# Allegro board 8880F5-0823_RXTX.brd (continued)
## Routing (per net, layer and track width the routed paths; a pad name or vN(x,y) marks a point on that pad's centre or on a via; arc(x,y) is an arc through that point) (continued)
D11108: length 833.7
  TOP w0.086: SITE2.117 328.23,257.78 328.31,257.86 328.31,268.63 v1(327.79,269.15)
  L07_SIGNAL w0.071: D111.08 405.75,368.95 405.75,368.85 405.75,365.42 407.17,364 418.02,364 429.56,352.45 429.56,327.96 413.79,312.19 413.79,266.99 414.55,266.23 416.01,266.23 416.87,267.09 416.87,267.69 v1(417.34,268.16)
  L30_SIGNAL w0.071: v1(417.34,268.16) 416.87,268.63 416.87,269.48 417.2,269.81 420.98,269.81 428.19,277.02 428.19,297.81 423.39,302.6 389.57,302.6 385.15,298.19 373.66,298.19 372.27,299.58 372.27,397.9 367.67,402.51 214.16,402.51 210.33,398.68 210.33,367.18 216.19,361.32 269.2,361.32 270.48,362.6 270.48,363.48 269.71,364.24 230.71,364.24 230.19,364.76 230.19,365.64 230.62,366.07 273.95,366.07 279.47,371.59 304.25,371.59 313.53,362.31 313.53,319.28 327.98,304.83 327.98,286.16 329.39,284.75 329.39,280.03 328.26,278.9 328.26,269.62 v1(327.79,269.15)
D11109: length 833.7
  TOP w0.086: SITE2.100 335.03,257.78 334.95,257.86 334.95,262.07 337.55,264.67 337.55,266.76 v1(338,267.21)
  L05_SIGNAL w0.071: D111.09 399.47,375.23 399.47,375.33 399.47,379.03 397.73,380.77 377.95,380.77 373.21,376.03 373.21,325.92 393.3,305.83 393.3,287.15 391.88,285.73 390.59,285.73 389.49,284.63 389.49,284.38 v1(389.02,283.91)
  L32_SIGNAL w0.071: v1(338,267.21) 337.53,266.74 337.53,264.24 336.26,262.97 320.43,262.97 314.95,268.46 314.95,273.47 318.65,277.17 363.57,277.17 367.03,280.62 367.03,290.83 358.18,299.68 358.18,379.37 365.28,386.46 567.36,386.46 571.5,382.32 571.5,318.39 559.88,306.77 443.48,306.77 429.65,292.94 387.04,292.94 386.34,292.25 386.34,283.28 387.45,282.17 388.8,282.17 389.48,282.85 389.48,283.45 v1(389.02,283.91)
D11111: length 833.7
  TOP w0.086: SITE2.101 334.63,257.78 334.71,257.86 334.71,262.17 337.31,264.77 337.31,266.76 v1(336.85,267.21)
  L05_SIGNAL w0.071: D111.11 397.67,374.81 399.03,374.81 399.27,375.05 399.27,378.95 397.65,380.58 378.03,380.58 373.41,375.95 373.41,326 393.5,305.91 393.5,287.07 391.96,285.53 390.68,285.53 389.69,284.55 389.69,284.38 v1(390.16,283.91)
  L32_SIGNAL w0.071: v1(390.16,283.91) 389.67,283.42 389.67,282.76 388.89,281.98 387.37,281.98 386.15,283.2 386.15,292.33 386.95,293.14 429.57,293.14 443.4,306.97 559.79,306.97 571.3,318.47 571.3,382.24 567.28,386.26 365.36,386.26 358.38,379.28 358.38,299.76 367.22,290.92 367.22,280.54 363.66,276.97 318.73,276.97 315.15,273.39 315.15,268.54 320.52,263.17 336.18,263.17 337.33,264.32 337.33,266.74 v1(336.85,267.21)
D11113: length 833.7
  TOP w0.086: SITE2.102 334.23,257.78 334.15,257.86 334.15,262.58 335.64,264.07 335.64,268.51 v1(336.07,268.93)
  L05_SIGNAL w0.071: D111.13 388.7,375.84 388.7,377.96 387.11,379.55 379.28,379.55 374.81,375.09 374.81,326.78 394.2,307.39 394.2,285.43 391.29,282.51 391.29,272.96 389.49,271.16 389.49,270.79 v1(389.02,270.32)
  L32_SIGNAL w0.071: v1(336.07,268.93) 335.6,269.4 335.6,272.83 336.71,273.94 366.81,273.94 372.59,279.73 372.59,283.63 374.35,285.39 377.9,285.39 378.82,286.31 378.82,287.79 377.99,288.63 377.99,290.74 373.32,295.4 373.32,347.18 380.47,354.32 543.52,354.32 545.88,356.68 545.88,364.9 542.25,368.53 506.82,368.53 504.39,370.95 504.39,375.79 506.56,377.95 556.09,377.95 562.99,371.06 562.99,320.8 554.86,312.68 400.21,312.68 385.81,298.28 385.81,293.06 384.3,291.55 384.3,274.98 386.97,272.31 389.03,272.31 389.49,271.84 389.49,270.79 v1(389.02,270.32)
D11115: length 833.7
  TOP w0.086: SITE2.103 333.83,257.78 333.91,257.86 333.91,262.68 335.4,264.17 335.4,268.46 v1(334.93,268.93)
  L05_SIGNAL w0.071: D111.15 388.5,375.8 388.5,377.88 387.03,379.36 379.37,379.36 375.01,375 375.01,326.86 394.4,307.48 394.4,285.35 391.49,282.43 391.49,272.88 389.69,271.08 389.69,270.79 v1(390.16,270.32)
  L32_SIGNAL w0.071: v1(390.16,270.32) 389.69,270.79 389.69,271.93 389.11,272.51 387.05,272.51 384.5,275.06 384.5,291.46 386.01,292.98 386.01,298.2 400.29,312.48 554.94,312.48 563.18,320.72 563.18,371.14 556.17,378.15 506.48,378.15 504.2,375.87 504.2,370.87 506.74,368.33 542.17,368.33 545.68,364.82 545.68,356.77 543.43,354.52 380.39,354.52 373.12,347.26 373.12,295.32 377.79,290.65 377.79,288.54 378.62,287.71 378.62,286.4 377.82,285.59 374.27,285.59 372.4,283.71 372.4,279.81 366.72,274.14 336.63,274.14 335.4,272.91 335.4,269.4 v1(334.93,268.93)
D11201: length 833.7
  TOP w0.086: SITE2.140 317.68,250.43 317.6,250.35 313.87,250.35 311.52,252.7 308.04,252.7 v1(307.6,253.14)
  L05_SIGNAL w0.071: v1(416.45,251.9) 416.92,252.38 416.92,253.26 417.47,253.8 423.68,253.8 431.39,261.51 467.06,261.51 470.17,264.62 566.49,264.62 570.39,268.51 570.39,397.91 563.61,404.69 553.08,404.69 547.24,398.84 547.24,316.17 543.21,312.14 536.26,312.14 531.83,316.58 531.83,391.43 522.51,400.75 503.7,400.75 490.06,387.12 490.06,350.41 484.39,344.74 458.52,344.74 450.58,352.68 450.58,382.96 433.44,400.1 420.44,400.1 418.65,398.31 418.65,395.78 419.31,395.12 420.22,395.12 D112.01
  L32_SIGNAL w0.071: v1(416.45,251.9) 416.92,251.43 416.92,250.12 414.4,247.6 362.89,247.6 357.8,252.69 355.66,252.69 354.39,251.43 325.91,251.43 324.67,252.67 308.07,252.67 v1(307.6,253.14)
D11202: length 833.7
  TOP w0.086: v1(327.07,270.87) 326.61,270.41 326.61,262.62 326.95,262.28 326.95,257.86 327.03,257.78 SITE2.120
  L07_SIGNAL w0.071: v1(416.2,254.57) 416.67,254.1 416.67,253.51 415.6,252.44 414.09,252.44 413.39,253.14 413.39,254.85 414.85,256.3 423.91,256.3 448.7,281.09 448.7,371.27 434.53,385.44 417.27,385.44 415.89,386.81 415.89,389.1 416.5,389.71 417.65,389.71 D112.02
  L30_SIGNAL w0.071: v1(416.2,254.57) 416.67,255.04 416.67,256.08 417.38,256.79 421.5,256.79 430.07,265.36 430.07,299.82 425.86,304.03 387.74,304.03 382.65,298.94 374,298.94 373.4,299.54 373.4,399.55 368.74,404.21 211.75,404.21 208.54,401 208.54,365.79 214.41,359.92 269.99,359.92 281.1,371.02 303.91,371.02 311.34,363.59 311.34,319.16 322.24,308.26 322.24,289.11 326.6,284.75 326.6,271.34 v1(327.07,270.87)
D11203: length 833.7
  TOP w0.086: v1(307.6,252) 308.06,252.46 311.43,252.46 313.78,250.11 317.6,250.11 317.68,250.03 SITE2.141
  L05_SIGNAL w0.071: v1(417.6,251.9) 417.12,252.38 417.12,253.18 417.55,253.6 423.76,253.6 431.47,261.31 467.14,261.31 470.25,264.42 566.57,264.42 570.58,268.43 570.58,397.99 563.69,404.88 553,404.88 547.04,398.92 547.04,316.25 543.13,312.34 536.34,312.34 532.02,316.66 532.02,391.52 522.59,400.95 503.62,400.95 489.87,387.2 489.87,350.49 484.31,344.93 458.61,344.93 450.78,352.76 450.78,383.04 433.52,400.29 420.36,400.29 418.46,398.39 418.46,395.6 D112.03
  L32_SIGNAL w0.071: v1(417.6,251.9) 417.12,251.43 417.12,250.04 414.49,247.4 362.81,247.4 357.71,252.5 355.74,252.5 354.47,251.23 325.83,251.23 324.59,252.47 308.07,252.47 v1(307.6,252)
D11204: length 833.7
  TOP w0.086: v1(325.93,270.87) 326.38,270.42 326.38,262.52 326.71,262.19 326.71,257.86 326.63,257.78 SITE2.121
  L07_SIGNAL w0.071: D112.04 415.69,389.49 415.69,386.73 417.19,385.24 434.44,385.24 448.5,371.19 448.5,281.18 423.82,256.5 414.76,256.5 413.19,254.93 413.19,253.06 414.01,252.24 415.68,252.24 416.87,253.43 416.87,254.1 v1(417.34,254.57)
  L30_SIGNAL w0.071: v1(417.34,254.57) 416.87,255.04 416.87,256 417.46,256.6 421.59,256.6 430.27,265.27 430.27,299.9 425.94,304.22 387.66,304.22 382.57,299.14 374.08,299.14 373.6,299.62 373.6,399.63 368.82,404.41 211.67,404.41 208.34,401.08 208.34,365.71 214.33,359.72 270.07,359.72 281.18,370.82 303.83,370.82 311.14,363.51 311.14,319.08 322.04,308.18 322.04,289.03 326.4,284.66 326.4,271.34 v1(325.93,270.87)
D11205: length 833.7
  TOP w0.086: SITE2.142 317.68,249.63 317.6,249.55 313.04,249.55 311.83,250.76 304.76,250.76 v1(304.31,251.21)
  L05_SIGNAL w0.071: v1(416.45,238.32) 416.92,238.79 416.92,239.69 433.53,256.3 528.25,256.3 529.69,254.86 567.37,254.86 573.47,260.96 573.47,418.43 565.57,426.34 420.65,426.34 418.44,424.13 418.44,420.03 420.58,417.89 502.69,417.89 505.23,415.36 505.23,410.05 502.75,407.57 417.61,407.57 408.64,398.6 408.64,395.43 409.19,394.88 410.3,394.88 D112.05
  L32_SIGNAL w0.071: v1(416.45,238.32) 416.92,237.84 416.92,236.22 414.88,234.17 369.68,234.17 365.44,238.42 344.11,238.42 343.63,237.94 339.58,237.94 338.54,238.98 316.99,238.98 315.38,240.6 309.17,240.6 306.67,243.09 306.67,249.45 305.38,250.74 304.78,250.74 v1(304.31,251.21)
D11206: length 833.7
  TOP w0.086: SITE2.81 343.98,250.43 344.06,250.51 347.46,250.51 349.46,252.51 358.8,252.51 v1(359.29,252.02)
  L07_SIGNAL w0.071: v1(416.45,270.57) 416.92,270.1 416.92,269.53 417.62,268.83 433.33,268.83 446.64,282.14 446.64,368.66 430.94,384.36 407.38,384.36 406.81,384.93 406.81,388.91 408.94,391.04 D112.06
  L30_SIGNAL w0.071: v1(359.29,252.02) 359.76,252.49 362.88,252.49 365.18,250.2 378.1,250.2 380.29,252.39 380.29,266.91 381.78,268.39 395.18,268.39 397.34,266.24 397.34,257.08 398.56,255.85 406.25,255.85 409.74,252.36 409.74,244.52 411.34,242.92 441.66,242.92 451.19,252.45 550.85,252.45 554.43,256.03 554.43,296.89 553.52,297.8 553.52,333.62 541.69,345.45 463.35,345.45 444.85,326.95 444.85,263 430,248.14 412.39,248.14 411.44,249.09 411.44,253.03 407.73,256.74 407.73,298.24 410.93,301.44 418.5,301.44 421.9,298.04 421.9,276.91 416.92,271.94 416.92,271.05 v1(416.45,270.57)
D11207: length 833.7
  TOP w0.086: SITE2.143 317.68,249.23 317.6,249.31 312.94,249.31 311.73,250.52 304.76,250.52 v1(304.31,250.07)
  L05_SIGNAL w0.071: v1(417.6,238.32) 417.12,238.79 417.12,239.61 433.62,256.1 528.17,256.1 529.61,254.66 567.45,254.66 573.67,260.88 573.67,418.51 565.65,426.53 420.57,426.53 418.25,424.21 418.25,419.94 420.5,417.69 502.61,417.69 505.03,415.27 505.03,410.13 502.67,407.77 417.53,407.77 408.44,398.68 408.44,395.74 D112.07
  L32_SIGNAL w0.071: v1(417.6,238.32) 417.12,237.84 417.12,236.14 414.96,233.97 369.6,233.97 365.35,238.22 344.19,238.22 343.71,237.74 339.5,237.74 338.45,238.79 316.91,238.79 315.3,240.4 309.08,240.4 306.47,243.01 306.47,249.37 305.3,250.54 304.78,250.54 v1(304.31,250.07)
D11208: length 833.7
  TOP w0.086: v1(359.29,253.16) 358.88,252.75 349.36,252.75 347.37,250.75 344.06,250.75 343.98,250.83 SITE2.82
  L07_SIGNAL w0.071: v1(417.6,270.57) 417.12,270.1 417.12,269.61 417.7,269.03 433.25,269.03 446.44,282.22 446.44,368.58 430.86,384.16 407.3,384.16 406.61,384.85 406.61,388.58 405.16,390.03 404.99,390.03 D112.08
  L30_SIGNAL w0.071: v1(417.6,270.57) 417.12,271.05 417.12,271.86 422.1,276.83 422.1,298.13 418.58,301.64 410.85,301.64 407.53,298.32 407.53,256.66 411.24,252.95 411.24,249 412.3,247.94 430.08,247.94 445.05,262.92 445.05,326.87 463.44,345.25 541.61,345.25 553.32,333.54 553.32,297.71 554.23,296.8 554.23,256.11 550.77,252.65 451.11,252.65 441.58,243.12 411.42,243.12 409.94,244.6 409.94,252.45 406.33,256.05 398.64,256.05 397.53,257.16 397.53,266.32 395.26,268.59 381.69,268.59 380.1,266.99 380.1,252.47 378.01,250.39 365.26,250.39 362.97,252.69 359.76,252.69 v1(359.29,253.16)
D11209: length 833.7
  TOP w0.086: v1(325.14,269.15) 324.69,268.7 324.69,263.17 326.15,261.71 326.15,257.86 326.23,257.78 SITE2.122
  L07_SIGNAL w0.071: v1(375.3,267.91) 375.78,268.38 375.78,269.09 376.37,269.69 378.14,269.69 380.69,272.24 380.69,309.33 360.54,329.48 360.54,385.86 378.74,404.07 393.7,404.07 398.86,398.9 398.86,396.16 D112.09
  L30_SIGNAL w0.071: v1(375.3,267.91) 375.78,267.43 375.78,266.69 375.51,266.42 373.68,266.42 370.84,269.26 370.84,297.43 369.19,299.08 369.19,394.92 365.02,399.09 219.28,399.09 215.88,395.69 215.88,378.52 222.05,372.35 269.69,372.35 270.25,372.91 270.25,373.75 269.56,374.44 222.73,374.44 221.88,375.29 221.88,376.46 222.51,377.09 314.4,377.09 316.29,375.21 316.29,365.56 318.65,363.2 318.65,320.24 331.49,307.39 331.49,273.68 333.84,271.33 333.84,269.23 332.06,267.44 325.07,267.44 324.67,267.84 324.67,268.68 v1(325.14,269.15)
D11210: length 833.7
  TOP w0.086: v1(330.93,270.87) 330.46,270.4 330.46,268.18 329.35,267.06 329.35,257.86 329.43,257.78 SITE2.114
  L05_SIGNAL w0.071: D112.10 397.74,390.12 396.38,390.12 395.72,389.46 395.72,384.73 393.25,382.27 377.39,382.27 371.6,376.47 371.6,325.49 386.05,311.04 386.05,287.45 388.29,285.21 389.27,285.21 389.49,285.43 389.49,285.85 v1(389.02,286.32)
  L30_SIGNAL w0.071: v1(330.93,270.87) 330.46,271.34 330.46,288.03 329.92,288.57 329.92,305.71 316.39,319.24 316.39,363.11 311.3,368.2 311.3,371.3 310.19,372.41 279.23,372.41 277.14,374.51 272.5,374.51 271.89,373.9 271.89,373.25 272.47,372.67 276.89,372.67 277.29,372.26 277.29,371.67 276.54,370.92 220.91,370.92 220.34,370.36 220.34,369.38 220.8,368.92 274.5,368.92 274.74,368.69 274.74,368.36 274.4,368.02 214.76,368.02 214.29,367.54 214.29,366.75 215.02,366.02 228.36,366.02 228.82,365.56 228.82,364.64 228.47,364.28 215.31,364.28 212.98,366.62 212.98,397.36 216.01,400.4 366.53,400.4 370.41,396.52 370.41,299.32 373.93,295.8 385.24,295.8 386.53,294.52 386.53,288.78 387.21,288.1 389.12,288.1 389.49,287.73 389.49,286.79 v1(389.02,286.32)
D11211: length 833.7
  TOP w0.086: SITE2.123 325.83,257.78 325.91,257.86 325.91,261.61 324.46,263.07 324.46,268.69 v1(324,269.15)
  L07_SIGNAL w0.071: v1(376.45,267.91) 375.98,268.38 375.98,269.01 376.45,269.49 378.22,269.49 380.89,272.16 380.89,309.41 360.74,329.57 360.74,385.78 378.83,403.87 393.61,403.87 398.66,398.82 398.66,396.12 D112.11
  L30_SIGNAL w0.071: v1(324,269.15) 324.47,268.68 324.47,267.76 324.98,267.25 332.14,267.25 334.04,269.15 334.04,271.42 331.69,273.77 331.69,307.48 318.85,320.32 318.85,363.28 316.48,365.65 316.48,375.29 314.48,377.29 222.43,377.29 221.68,376.54 221.68,375.2 222.64,374.24 269.48,374.24 270.05,373.67 270.05,373 269.61,372.55 222.13,372.55 216.08,378.6 216.08,395.61 219.36,398.89 364.94,398.89 368.99,394.84 368.99,299 370.64,297.35 370.64,269.18 373.59,266.22 375.59,266.22 375.97,266.6 375.97,267.43 v1(376.45,267.91)
D11212: length 833.7
  TOP w0.086: v1(329.79,270.87) 330.22,270.43 330.22,268.28 329.11,267.16 329.11,257.86 329.03,257.78 SITE2.115
  L05_SIGNAL w0.071: v1(390.16,286.32) 389.69,285.85 389.69,285.35 389.35,285.01 388.21,285.01 385.85,287.36 385.85,310.95 371.4,325.41 371.4,376.56 377.31,382.47 393.17,382.47 395.52,384.82 395.52,389.34 D112.12
  L30_SIGNAL w0.071: v1(329.79,270.87) 330.26,271.34 330.26,287.95 329.72,288.49 329.72,305.62 316.19,319.16 316.19,363.03 311.11,368.11 311.11,371.21 310.11,372.21 279.15,372.21 277.05,374.31 272.58,374.31 272.09,373.81 272.09,373.33 272.55,372.87 276.97,372.87 277.49,372.35 277.49,371.59 276.63,370.72 220.99,370.72 220.54,370.27 220.54,369.46 220.88,369.12 274.58,369.12 274.94,368.77 274.94,368.28 274.48,367.82 214.85,367.82 214.49,367.46 214.49,366.84 215.11,366.22 228.44,366.22 229.02,365.64 229.02,364.56 228.55,364.08 215.23,364.08 212.78,366.54 212.78,397.44 215.93,400.6 366.61,400.6 370.61,396.6 370.61,299.4 374.01,296 385.33,296 386.73,294.6 386.73,288.86 387.29,288.3 389.2,288.3 389.69,287.81 389.69,286.79 v1(390.16,286.32)
D11213: length 833.7
  TOP w0.086: SITE2.135 317.68,252.43 317.6,252.35 316.46,252.35 311.86,256.95 308.04,256.95 v1(307.6,257.38)
  L05_SIGNAL w0.071: v1(375.3,251.9) 375.78,252.38 375.78,252.76 376.71,253.69 379.9,253.69 382.27,256.06 382.27,309.74 368.12,323.89 368.12,350.94 349.7,369.36 227.03,369.36 219.34,377.05 102.54,377.05 95.13,384.46 95.13,419.15 100.78,424.81 197.95,424.81 204.33,418.43 371.02,418.43 389.02,400.43 389.02,395.84 D112.13
  L32_SIGNAL w0.071: v1(375.3,251.9) 375.78,251.43 375.78,250.53 375.26,250.01 373.63,250.01 365.31,258.33 359.12,258.33 357.11,256.33 354.67,256.33 354.09,256.91 308.07,256.91 v1(307.6,257.38)
D11214: length 833.7
  TOP w0.086: SITE2.137 317.68,251.63 317.6,251.55 315.88,251.55 312.43,255.01 304.75,255.01 v1(304.31,255.45)
  L05_SIGNAL w0.071: D112.14 386.4,388.94 386.4,385.94 384.09,383.62 375.48,383.62 373.96,385.14 373.96,402.62 359.93,416.64 202.25,416.64 196.85,422.04 120.87,422.04 115.79,416.97 115.79,387.92 123.89,379.82 223.26,379.82 230.9,372.18 350.64,372.18 369.79,353.03 369.79,324.74 384.61,309.92 384.61,240.96 380.12,236.47 376.69,236.47 375.78,237.38 375.78,237.84 v1(375.3,238.32)
  L32_SIGNAL w0.071: v1(304.31,255.45) 304.78,254.98 305.14,254.98 306.04,254.08 306.04,251.27 307.02,250.29 349.51,250.29 356.97,242.83 363.64,242.83 370.4,236.08 375.02,236.08 375.78,236.83 375.78,237.84 v1(375.3,238.32)
D11215: length 833.7
  TOP w0.086: SITE2.136 317.68,252.03 317.6,252.11 316.36,252.11 311.76,256.71 308.07,256.71 v1(307.6,256.24)
  L05_SIGNAL w0.071: D112.15 387.91,395.53 388.02,395.53 388.83,396.34 388.83,400.34 370.94,418.23 204.25,418.23 197.87,424.61 100.87,424.61 95.32,419.07 95.32,384.54 102.62,377.24 219.42,377.24 227.11,369.55 349.78,369.55 368.32,351.02 368.32,323.97 382.47,309.82 382.47,255.98 379.98,253.49 376.79,253.49 375.98,252.67 375.98,252.38 v1(376.45,251.9)
  L32_SIGNAL w0.071: v1(376.45,251.9) 375.98,251.43 375.98,250.45 375.34,249.81 373.55,249.81 365.23,258.13 359.2,258.13 357.2,256.13 354.59,256.13 354.01,256.71 308.07,256.71 v1(307.6,256.24)
D11216: length 833.7
  TOP w0.086: v1(304.31,254.31) 304.76,254.77 312.33,254.77 315.78,251.31 317.6,251.31 317.68,251.23 SITE2.138
  L05_SIGNAL w0.071: v1(376.45,238.32) 375.98,237.84 375.98,237.46 376.77,236.67 380.04,236.67 384.41,241.04 384.41,309.84 369.59,324.65 369.59,352.95 350.55,371.98 230.81,371.98 223.18,379.62 123.81,379.62 115.6,387.83 115.6,417.05 120.79,422.24 196.93,422.24 202.33,416.84 360.02,416.84 374.15,402.7 374.15,385.22 375.56,383.82 384,383.82 386.21,386.02 386.21,388.74 384.85,390.1 384.6,390.1 D112.16
  L32_SIGNAL w0.071: v1(376.45,238.32) 375.98,237.84 375.98,236.75 375.1,235.88 370.31,235.88 363.56,242.63 356.89,242.63 349.43,250.09 306.94,250.09 305.84,251.19 305.84,254 305.06,254.78 304.78,254.78 v1(304.31,254.31)
D11301: length 413.5
  TOP w0.086: SITE2.172 317.68,237.63 317.6,237.71 315.46,237.71 314.38,236.63 305.85,236.63 v1(305.39,236.18)
  L03_SIGNAL w0.071: D113.01 346.56,334.16 345.33,334.16 345.19,334.3 345.19,338.08 348.53,341.42 359.68,341.42 366.38,334.71 366.38,316.24 380.64,301.99 380.64,220.95 378.5,218.81 362.94,218.81 360.99,220.75 360.99,249.43 357.89,252.54 345.69,252.54 341.37,248.22 341.37,217.27 343.1,215.54 365.93,215.54 369.3,212.17 378.89,212.17 381.94,215.22 381.94,217.99 382.83,218.88 382.83,219.43 v1(383.31,219.9)
  L28_SIGNAL w0.071: v1(305.39,236.18) 305.87,236.65 320.74,236.65 323.23,234.16 338.98,234.16 342.22,230.92 378.02,230.92 384.81,224.13 384.81,218.85 384.29,218.33 383.25,218.33 382.83,218.74 382.83,219.43 v1(383.31,219.9)
D11302: length 457
  TOP w0.086: v1(319.21,218.99) 319.21,219.63 324.95,225.37 324.95,231.4 325.03,231.48 SITE2.8
  L03_SIGNAL w0.071: D113.02 343.82,328.58 343.82,322.24 346.23,319.83 359.14,319.83 379.44,299.53 379.44,221.74 377.88,220.18 370.1,220.18 364.26,226.02 364.26,270.19 359.53,274.92 337.17,274.92 333.78,278.31 333.78,303.93 339.09,309.24 361.38,309.24 370.45,300.17 370.45,239.88 372.59,237.74 372.59,232.47 377.03,228.03 377.03,224.49 375.98,223.44 375.98,222.28 v1(376.45,221.81)
  L28_SIGNAL w0.071: v1(376.45,221.81) 376.05,221.81 375.98,221.73 375.98,219.5 374.12,217.65 340.52,217.65 337.31,220.86 320.41,220.86 319.21,219.66 v1(319.21,218.99)
D11303: length 413.5
  TOP w0.086: SITE2.171 317.68,238.03 317.6,237.95 315.37,237.95 314.29,236.87 305.85,236.87 v1(305.39,237.32)
  L03_SIGNAL w0.071: D113.03 344.99,334.83 344.99,338.16 348.45,341.61 359.76,341.61 366.58,334.8 366.58,316.32 380.83,302.07 380.83,220.86 378.58,218.61 362.86,218.61 360.79,220.67 360.79,249.35 357.8,252.34 345.77,252.34 341.57,248.14 341.57,217.35 343.18,215.74 366.01,215.74 369.38,212.37 378.81,212.37 381.74,215.3 381.74,218.07 382.63,218.96 382.63,219.43 v1(382.16,219.9)
  L28_SIGNAL w0.071: v1(305.39,237.32) 305.87,236.85 320.82,236.85 323.31,234.36 339.06,234.36 342.3,231.12 378.1,231.12 385.01,224.21 385.01,218.77 384.37,218.13 383.17,218.13 382.63,218.66 382.63,219.43 v1(382.16,219.9)
D11304: length 457
  TOP w0.086: v1(318.4,219.8) 319.04,219.8 324.71,225.47 324.71,231.4 324.63,231.48 SITE2.7
  L03_SIGNAL w0.071: v1(375.3,221.81) 375.78,222.28 375.78,223.52 376.83,224.58 376.83,227.94 372.39,232.39 372.39,237.65 370.25,239.8 370.25,300.09 361.29,309.04 339.17,309.04 333.98,303.84 333.98,278.39 337.25,275.12 359.61,275.12 364.45,270.28 364.45,226.1 370.18,220.38 377.8,220.38 379.24,221.82 379.24,299.45 359.06,319.63 346.15,319.63 343.62,322.15 343.62,328.59 343.02,329.2 341.36,329.2 D113.04
  L28_SIGNAL w0.071: v1(318.4,219.8) 319.07,219.8 320.33,221.06 337.39,221.06 340.61,217.85 374.04,217.85 375.78,219.58 375.78,221.73 375.71,221.81 v1(375.3,221.81)
D11305: length 457
  TOP w0.086: v1(330.13,216.61) 329.68,217.05 329.68,221.65 328.15,223.18 328.15,231.4 328.23,231.48 SITE2.16
  L03_SIGNAL w0.071: v1(390.16,222.06) 389.69,221.59 389.69,221.24 388.91,220.46 384.09,220.46 382.35,222.21 382.35,305.76 370.39,317.73 370.39,339.26 366.08,343.57 339.92,343.57 335.38,339.03 335.38,335.18 D113.05
  L28_SIGNAL w0.071: v1(390.16,222.06) 389.69,221.59 389.69,219.84 389.9,219.63 390.73,219.63 391.48,220.38 391.48,223 395.58,227.09 409.02,227.09 420.59,238.66 420.59,247.52 423.54,250.47 448.25,250.47 450.3,248.43 450.3,204.59 447.14,201.43 408.47,201.43 407.86,200.83 376.05,200.83 373.98,202.89 373.98,210.59 371.58,212.98 361.21,212.98 360.43,213.76 341.15,213.76 339.9,215 336.94,215 334.16,217.78 329.98,217.78 329.66,217.46 329.66,217.08 v1(330.13,216.61)
D11306: length 457
  TOP w0.086: SITE2.6 324.23,231.48 324.15,231.4 324.15,227.37 315.41,218.63 v1(315.41,217.99)
  L03_SIGNAL w0.071: D113.06 333.45,328.37 333.45,317.68 337.34,313.79 359.84,313.79 372.98,300.65 372.98,239.74 375.98,236.75 375.98,235.87 v1(376.45,235.39)
  L28_SIGNAL w0.071: v1(376.45,235.39) 375.97,235.87 375.97,236.52 383.15,243.7 408.49,243.7 413.7,248.91 413.7,305.72 411.77,307.64 409.19,307.64 407.59,306.04 407.59,250.06 403.06,245.53 368.79,245.53 362.84,239.58 352.16,239.58 347.49,244.25 344.15,244.25 342.85,245.54 328.71,245.54 327.59,244.42 320.55,244.42 320,243.87 314.24,243.87 313.66,244.45 306.23,244.45 303.76,241.99 303.76,221.23 307.94,217.06 313.81,217.06 314.74,217.99 v1(315.41,217.99)
D11307: length 457
  TOP w0.086: SITE2.15 327.83,231.48 327.91,231.4 327.91,223.08 329.45,221.55 329.45,217.06 v1(328.99,216.61)
  L03_SIGNAL w0.071: D113.07 335.18,335.18 335.18,339.11 339.83,343.77 366.16,343.77 370.59,339.35 370.59,317.81 382.55,305.85 382.55,222.29 384.18,220.66 388.83,220.66 389.49,221.32 389.49,221.59 v1(389.02,222.06)
  L28_SIGNAL w0.071: v1(328.99,216.61) 329.46,217.08 329.46,217.55 329.9,217.98 334.24,217.98 337.02,215.2 339.98,215.2 341.23,213.96 360.51,213.96 361.29,213.18 371.67,213.18 374.18,210.67 374.18,202.98 376.13,201.03 407.78,201.03 408.38,201.63 447.06,201.63 450.1,204.67 450.1,248.35 448.17,250.27 423.63,250.27 420.79,247.43 420.79,238.58 409.1,226.89 395.66,226.89 391.68,222.92 391.68,220.3 390.82,219.43 389.82,219.43 389.49,219.76 389.49,221.59 v1(389.02,222.06)
D11308: length 457
  TOP w0.086: v1(314.6,218.8) 315.24,218.8 323.91,227.47 323.91,231.4 323.83,231.48 SITE2.5
  L03_SIGNAL w0.071: D113.08 331.36,329.04 332.77,329.04 333.25,328.55 333.25,317.59 337.26,313.59 359.75,313.59 372.78,300.57 372.78,239.66 375.78,236.67 375.78,235.87 v1(375.3,235.39)
  L28_SIGNAL w0.071: v1(314.6,218.8) 314.6,218.13 313.73,217.26 308.02,217.26 303.96,221.31 303.96,241.9 306.31,244.26 313.58,244.26 314.15,243.68 320.09,243.68 320.63,244.22 327.67,244.22 328.8,245.35 342.77,245.35 344.07,244.05 347.41,244.05 352.08,239.38 362.92,239.38 368.88,245.33 403.14,245.33 407.79,249.97 407.79,305.96 409.28,307.44 411.69,307.44 413.5,305.63 413.5,249 408.41,243.9 383.07,243.9 375.78,236.61 375.78,235.87 v1(375.3,235.39)
D11402: length 833.7
  TOP w0.086: SITE2.87 343.98,252.83 344.06,252.91 344.57,252.91 349.88,258.23 355.83,258.23 v1(356.24,257.81)
  L05_SIGNAL w0.071: v1(375.56,283.91) 376.03,283.44 376.03,282.63 375.74,282.34 372.92,282.34 370.83,284.43 370.83,310.4 354.68,326.55 354.68,339.61 348.75,345.54 343.45,345.54 342.57,346.42 342.57,348.78 343.35,349.56 344.48,349.56 D114.02
  L30_SIGNAL w0.071: v1(375.56,283.91) 376.04,284.39 376.04,285.19 375.76,285.46 373.49,285.46 372.95,284.92 372.95,280.44 379.38,274.01 379.38,252.88 377.37,250.87 369.66,250.87 366.5,254.02 366.5,275.23 363.85,277.89 358.1,277.89 354.27,281.72 354.27,287.21 365.55,298.49 365.55,355.06 357.7,362.91 357.7,388.72 354.03,392.39 220.3,392.39 219.49,391.57 219.49,390.66 220.36,389.79 348.45,389.79 349.23,389.01 349.23,387.96 348.39,387.12 286.76,387.12 285.47,385.82 285.47,384.11 286.76,382.81 316.22,382.81 321.55,377.48 321.55,366.09 323.79,363.85 323.79,321.03 335.88,308.94 335.88,273.72 337.1,272.5 350.45,272.5 357.85,265.1 357.85,258.72 357.41,258.28 356.72,258.28 v1(356.24,257.81)
D11403: length 833.7
  TOP w0.086: v1(319.3,270.88) 318.85,270.43 318.85,263.79 323.35,259.29 323.35,257.86 323.43,257.78 SITE2.129
  L05_SIGNAL w0.071: D114.03 341.48,354.48 340.59,354.48 339.49,355.59 339.49,357.58 340.71,358.81 349.09,358.81 356.18,351.72 356.18,327.14 372.46,310.86 372.46,289.44 373.61,288.29 375.65,288.29 376.03,287.91 376.03,286.79 v1(375.56,286.32)
  L32_SIGNAL w0.071: v1(319.3,270.88) 318.83,271.35 318.83,273.64 320.4,275.21 365.27,275.21 370.62,280.56 370.62,292.17 362.48,300.32 362.48,362.51 381.85,381.88 487.16,381.88 488.42,380.62 488.42,377.87 487.05,376.5 428.57,376.5 426.09,374.02 426.09,368.71 427.34,367.46 540.83,367.46 543.61,364.68 543.61,360.2 541.39,357.99 380.45,357.99 372.26,349.8 372.26,289.2 373.21,288.26 375.39,288.26 376.03,287.61 376.03,286.79 v1(375.56,286.32)
D11404: length 833.7
  TOP w0.086: v1(356.24,258.95) 355.76,258.47 349.78,258.47 344.47,253.15 344.06,253.15 343.98,253.23 SITE2.88
  L05_SIGNAL w0.071: v1(376.7,283.91) 376.23,283.44 376.23,282.54 375.82,282.14 372.84,282.14 370.63,284.35 370.63,310.31 354.48,326.47 354.48,339.53 348.66,345.34 343.36,345.34 342.37,346.34 342.37,348.41 342.37,348.51 D114.04
  L30_SIGNAL w0.071: v1(356.24,258.95) 356.72,258.48 357.33,258.48 357.66,258.8 357.66,265.02 350.37,272.31 337.02,272.31 335.68,273.64 335.68,308.85 323.59,320.94 323.59,363.76 321.35,366.01 321.35,377.4 316.14,382.61 286.68,382.61 285.27,384.02 285.27,385.9 286.68,387.32 348.31,387.32 349.03,388.05 349.03,388.92 348.37,389.59 220.27,389.59 219.29,390.58 219.29,391.66 220.22,392.59 354.12,392.59 357.9,388.8 357.9,362.99 365.75,355.14 365.75,298.41 354.47,287.13 354.47,281.8 358.18,278.08 363.93,278.08 366.7,275.32 366.7,254.11 369.74,251.06 377.29,251.06 379.18,252.96 379.18,273.93 372.75,280.36 372.75,285 373.41,285.66 375.85,285.66 376.23,285.27 376.23,284.38 v1(376.7,283.91)
D11405: length 833.7
  TOP w0.086: SITE2.130 323.03,257.78 323.11,257.86 323.11,259.19 318.61,263.69 318.61,270.43 v1(318.16,270.88)
  L05_SIGNAL w0.071: D114.05 339.29,354.53 339.29,357.66 340.63,359 349.18,359 356.37,351.8 356.37,327.23 372.66,310.94 372.66,289.52 373.69,288.49 375.73,288.49 376.23,288 376.23,286.79 v1(376.7,286.32)
  L32_SIGNAL w0.071: v1(318.16,270.88) 318.63,271.35 318.63,273.73 320.31,275.41 365.19,275.41 370.42,280.64 370.42,292.09 362.28,300.23 362.28,362.6 381.76,382.08 487.24,382.08 488.62,380.7 488.62,377.79 487.13,376.3 428.65,376.3 426.29,373.94 426.29,368.79 427.42,367.66 540.91,367.66 543.81,364.76 543.81,360.12 541.48,357.79 380.53,357.79 372.46,349.72 372.46,289.29 373.29,288.46 375.47,288.46 376.23,287.69 376.23,286.79 v1(376.7,286.32)
D11406: length 833.7
  TOP w0.086: SITE2.124 325.43,257.78 325.35,257.86 325.35,260.75 322.73,263.37 322.73,270.45 v1(323.16,270.88)
  L05_SIGNAL w0.071: v1(375.3,254.32) 375.78,253.85 375.78,253.53 375.2,252.95 370.17,252.95 367.37,255.75 367.37,311.42 352.38,326.41 352.38,337.73 346.83,343.28 334.13,343.28 332.08,345.32 332.08,348.52 332.93,349.37 334.13,349.37 D114.06
  L30_SIGNAL w0.071: v1(375.3,254.32) 375.77,253.85 375.77,253.14 375.38,252.74 370.92,252.74 367.42,256.25 367.42,357.27 360.77,363.91 360.77,388.51 354.42,394.86 219.69,394.86 217.72,392.9 217.72,387.91 220.11,385.52 281.35,385.52 282.02,384.85 282.02,382.91 281.47,382.36 221.85,382.36 221.08,381.59 221.08,379.87 221.99,378.96 316.15,378.96 318.62,376.49 318.62,365.62 321.26,362.98 321.26,320.12 333.53,307.86 333.53,273.43 335.91,271.04 347.46,271.04 348.64,269.86 348.64,269.19 343.04,263.59 325.69,263.59 322.69,266.59 322.69,270.41 v1(323.16,270.88)
D11407: length 833.7
  TOP w0.086: SITE2.126 324.63,257.78 324.55,257.86 324.55,259.62 320.83,263.34 320.83,268.7 v1(321.28,269.15)
  L07_SIGNAL w0.071: D114.07 331.57,354.23 330.69,354.23 329.39,355.44 329.39,359.29 331.58,361.48 350.09,361.48 357.55,354.02 357.55,327.93 376.03,309.45 376.03,300.38 v1(375.56,299.91)
  L30_SIGNAL w0.071: v1(375.56,299.91) 376.03,300.39 376.03,401.02 369.88,407.17 116.25,407.17 109.42,400.35 109.42,366.34 117.79,357.97 270.99,357.97 282.35,369.33 302.67,369.33 308.67,363.33 308.67,318.93 320.81,306.79 320.81,269.62 v1(321.28,269.15)
D11408: length 833.7
  TOP w0.086: SITE2.125 325.03,257.78 325.11,257.86 325.11,260.65 322.49,263.28 322.49,270.41 v1(322.02,270.88)
  L05_SIGNAL w0.071: D114.08 331.88,348.84 331.88,345.24 334.04,343.08 346.75,343.08 352.18,337.65 352.18,326.33 367.17,311.34 367.17,255.67 370.09,252.76 375.28,252.76 375.98,253.45 375.98,253.85 v1(376.45,254.32)
  L30_SIGNAL w0.071: v1(376.45,254.32) 375.97,253.84 375.97,253.06 375.46,252.54 370.84,252.54 367.22,256.17 367.22,357.18 360.57,363.83 360.57,388.43 354.34,394.67 219.77,394.67 217.92,392.82 217.92,387.99 220.2,385.72 281.43,385.72 282.22,384.93 282.22,382.83 281.55,382.16 221.93,382.16 221.28,381.5 221.28,379.95 222.07,379.16 316.23,379.16 318.82,376.57 318.82,365.71 321.46,363.06 321.46,320.2 333.73,307.94 333.73,273.51 335.99,271.24 347.54,271.24 348.84,269.94 348.84,269.1 343.12,263.39 325.6,263.39 322.49,266.51 322.49,270.41 v1(322.02,270.88)
D11409: length 833.7
  TOP w0.086: SITE2.127 324.23,257.78 324.31,257.86 324.31,259.52 320.59,263.24 320.59,268.7 v1(320.14,269.15)
  L07_SIGNAL w0.071: D114.09 329.19,354.59 329.19,359.37 331.5,361.68 350.18,361.68 357.75,354.11 357.75,328.01 376.23,309.53 376.23,300.38 v1(376.7,299.91)
  L30_SIGNAL w0.071: v1(376.7,299.91) 376.23,300.38 376.23,401.11 369.96,407.37 116.17,407.37 109.23,400.43 109.23,366.26 117.71,357.78 271.08,357.78 282.43,369.13 302.59,369.13 308.47,363.25 308.47,318.85 320.61,306.71 320.61,269.62 v1(320.14,269.15)
D11411: length 833.7
  TOP w0.086: v1(347.64,268.93) 347.21,268.5 347.21,267.41 345.32,265.52 345.32,264.13 339.35,258.16 339.35,257.86 339.43,257.78 SITE2.89
  L05_SIGNAL w0.071: v1(375.56,270.32) 376.03,270.79 376.03,271.15 377.77,272.89 377.77,282.29 379.49,284.01 379.49,308.29 359,328.78 359,356.87 349.58,366.28 15.01,366.28 13.01,364.28 13.01,349.05 15.87,346.19 151,346.19 156.34,351.54 290.94,351.54 299.89,360.49 318.21,360.49 319.47,359.22 319.47,354.85 319.96,354.35 321.29,354.35 D114.11
  L32_SIGNAL w0.071: v1(347.64,268.93) 347.17,268.46 347.17,268.24 347.26,268.16 347.62,268.16 349.14,269.68 356.82,269.68 357.83,268.67 375.72,268.67 376.03,268.98 376.03,269.85 v1(375.56,270.32)
D11413: length 833.7
  TOP w0.086: v1(346.5,268.93) 346.97,268.46 346.97,267.51 345.08,265.62 345.08,264.23 339.11,258.26 339.11,257.86 339.03,257.78 SITE2.90
  L05_SIGNAL w0.071: v1(376.7,270.32) 376.23,270.79 376.23,271.07 377.97,272.81 377.97,282.21 379.69,283.93 379.69,308.37 359.2,328.86 359.2,356.95 349.67,366.48 14.93,366.48 12.82,364.37 12.82,348.96 15.78,346 151.08,346 156.42,351.34 291.02,351.34 299.97,360.29 318.12,360.29 319.27,359.14 319.27,354.83 D114.13
  L32_SIGNAL w0.071: v1(376.7,270.32) 376.23,269.85 376.23,268.9 375.8,268.48 357.74,268.48 356.74,269.48 349.23,269.48 347.7,267.96 347.18,267.96 346.97,268.16 346.97,268.46 v1(346.5,268.93)
D11901: length 833.7
  TOP w0.086: v1(248.93,209.15) 248.55,208.77 248.55,197.86 248.63,197.78 SITE3.116
  L07_SIGNAL w0.071: D119.01 162.33,53.57 162.33,48.73 160.09,46.49 151.15,46.49 145.39,52.25 145.39,176.4 167.54,198.56 178.26,198.56 179.96,200.25 179.96,202.65 179.52,203.09 178.97,203.09 v1(178.5,203.56)
  L30_SIGNAL w0.071: v1(248.93,209.15) 248.46,208.68 248.46,201.64 241.68,194.86 226.06,194.86 224.13,196.78 220.58,196.78 218.06,194.26 160.97,194.26 148.36,181.64 87.98,181.64 82.22,175.88 44.84,175.88 35.71,185 35.71,199.83 36.24,200.36 37.1,200.36 37.56,199.89 37.56,185.19 38.4,184.36 39.41,184.36 40.02,184.96 40.02,199.61 40.83,200.42 42.2,200.42 42.96,199.66 42.96,180.05 44.59,178.42 82.72,178.42 83.37,179.07 83.37,180.53 82.77,181.13 45.25,181.13 44.49,181.89 44.49,183.21 45.48,184.2 82.77,184.2 83.22,184.65 83.22,186.21 82.88,186.56 46.92,186.56 45.11,188.37 45.11,198.97 46.1,199.96 94.67,199.96 95.37,200.65 129.04,200.65 129.87,199.83 167.76,199.83 170.29,202.36 176.03,202.36 176.76,203.09 178.02,203.09 v1(178.5,203.56)
D11902: length 833.7
  TOP w0.086: SITE3.126 244.63,197.78 244.55,197.86 244.55,199.62 240.83,203.34 240.83,208.7 v1(241.28,209.15)
  L07_SIGNAL w0.071: D119.02 165,60.86 165,61.3 164.45,61.85 154.82,61.85 148.74,67.93 148.74,102.44 155.24,108.94 155.24,128.25 169.97,142.98 169.97,182.53 176.56,189.12 178.03,189.12 v1(178.5,189.59)
  L30_SIGNAL w0.071: v1(178.5,189.59) 178.03,189.12 177,189.12 175.89,188.02 175.1,188.02 173.97,186.89 173.97,176.76 168.84,171.63 166.32,171.63 162.98,168.29 154.46,168.29 153.12,169.63 107.51,169.63 105.05,167.16 44.24,167.16 42.37,165.3 42.37,141.32 41.87,140.82 40.75,140.82 40.35,141.21 40.35,178.08 39.82,178.61 37.94,178.61 37.33,178 37.33,140.96 36.68,140.3 35.64,140.3 35.1,140.84 35.1,199.35 34.57,199.88 32.97,199.88 31.79,198.71 31.79,140.62 31.24,140.07 30.48,140.07 29.85,140.7 29.85,200.11 30.97,201.23 167.58,201.23 174.53,208.19 212.1,208.19 213.75,209.83 232.99,209.83 236.51,206.3 239.96,206.3 240.81,207.15 240.81,208.68 v1(241.28,209.15)
D11903: length 833.7
  TOP w0.086: SITE3.117 248.23,197.78 248.31,197.86 248.31,208.63 v1(247.79,209.15)
  L07_SIGNAL w0.071: D119.03 163.86,54.64 163,54.64 162.53,54.18 162.53,48.65 160.18,46.29 151.06,46.29 145.19,52.17 145.19,176.48 167.46,198.75 178.18,198.75 179.76,200.33 179.76,202.57 179.44,202.89 178.97,202.89 v1(178.5,202.42)
  L30_SIGNAL w0.071: v1(178.5,202.42) 178.03,202.89 176.84,202.89 176.11,202.16 170.37,202.16 167.84,199.63 129.79,199.63 128.96,200.45 95.45,200.45 94.76,199.76 46.18,199.76 45.3,198.89 45.3,188.45 47,186.76 82.96,186.76 83.42,186.3 83.42,184.57 82.85,184.01 45.56,184.01 44.69,183.13 44.69,181.97 45.33,181.33 82.85,181.33 83.57,180.61 83.57,178.99 82.8,178.22 44.51,178.22 42.76,179.97 42.76,199.58 42.11,200.22 40.91,200.22 40.21,199.53 40.21,184.88 39.49,184.16 38.31,184.16 37.36,185.11 37.36,199.81 37.02,200.16 36.32,200.16 35.91,199.75 35.91,185.08 44.92,176.07 82.13,176.07 87.9,181.84 148.27,181.84 160.89,194.46 217.98,194.46 220.5,196.98 224.21,196.98 226.14,195.06 241.6,195.06 248.26,201.72 248.26,208.68 v1(247.79,209.15)
D11904: length 833.7
  TOP w0.086: SITE3.127 244.23,197.78 244.31,197.86 244.31,199.52 240.59,203.24 240.59,208.7 v1(240.14,209.15)
  L07_SIGNAL w0.071: v1(178.5,188.45) 178.03,188.92 176.64,188.92 170.17,182.45 170.17,142.9 155.44,128.17 155.44,108.86 148.94,102.36 148.94,68.01 154.9,62.05 164.53,62.05 165.2,61.38 165.2,60.86 D119.04
  L30_SIGNAL w0.071: v1(240.14,209.15) 240.61,208.68 240.61,207.23 239.88,206.5 236.6,206.5 233.07,210.03 213.66,210.03 212.02,208.38 174.45,208.38 167.49,201.43 30.89,201.43 29.65,200.19 29.65,140.62 30.4,139.87 31.33,139.87 31.99,140.54 31.99,198.62 33.05,199.68 34.49,199.68 34.9,199.27 34.9,140.76 35.55,140.1 36.76,140.1 37.53,140.87 37.53,177.92 38.02,178.41 39.74,178.41 40.15,177.99 40.15,141.13 40.67,140.62 41.95,140.62 42.57,141.23 42.57,165.21 44.32,166.96 105.13,166.96 107.6,169.43 153.04,169.43 154.37,168.09 163.06,168.09 166.4,171.43 168.92,171.43 174.16,176.68 174.16,186.8 175.18,187.82 175.98,187.82 177.08,188.92 178.02,188.92 v1(178.5,188.45)
D11905: length 833.7
  TOP w0.086: v1(247.07,210.87) 246.61,210.41 246.61,202.62 246.95,202.28 246.95,197.86 247.03,197.78 SITE3.120
  L07_SIGNAL w0.071: D119.05 172.62,53.44 172.62,46.62 170.05,44.04 151.08,44.04 141.42,53.7 141.42,173.65 166.39,198.61 166.39,202.77 166.07,203.09 165.38,203.09 v1(164.91,203.56)
  L30_SIGNAL w0.071: v1(164.91,203.56) 165.38,203.09 166.68,203.09 169.42,205.82 169.42,207.74 168.51,208.64 156.85,208.64 150.45,202.24 28.6,202.24 27.39,201.04 27.39,147.22 27.01,146.83 25.19,146.83 24.75,147.27 24.75,192 23.86,192.88 23.14,192.88 22.38,192.12 22.38,139.67 21.77,139.05 20.07,139.05 19.4,139.72 19.4,198.99 24.08,203.66 148.53,203.66 155.18,210.32 211.32,210.32 217.62,216.63 241.91,216.63 246.6,211.94 246.6,211.34 v1(247.07,210.87)
D11906: length 833.7
  TOP w0.086: SITE3.114 249.43,197.78 249.35,197.86 249.35,207.06 250.46,208.18 250.46,210.4 v1(250.93,210.87)
  L07_SIGNAL w0.071: v1(181.67,189.59) 181.2,189.12 180.28,189.12 171.06,179.9 171.06,139.79 157.96,126.69 157.96,108.54 151.78,102.36 151.78,67.26 156.56,62.48 174.41,62.48 175.14,61.76 175.14,60.84 D119.06
  L30_SIGNAL w0.071: v1(181.67,189.59) 181.21,189.12 180.25,189.12 178.94,190.43 175.23,190.43 172.87,188.07 167.34,188.07 165.49,186.22 156.84,186.22 156.24,185.61 156.24,183.87 156.82,183.29 166.23,183.29 166.81,182.7 166.81,180.98 165.9,180.07 130.94,180.07 130.29,179.42 130.29,178.55 130.95,177.89 163.56,177.89 164.22,177.23 164.22,176.57 163.6,175.95 131.15,175.95 130.1,174.91 130.1,173.9 130.86,173.14 164.44,173.14 165.31,174.02 168.46,174.02 168.76,173.72 168.76,173.04 168.28,172.56 166.12,172.56 165.02,171.46 130.64,171.46 129.1,173 95.68,173 91.82,169.14 43.72,169.14 43.06,169.8 43.06,170.81 43.64,171.39 92.24,171.39 92.95,172.1 92.95,172.93 92.52,173.36 43.27,173.36 43.02,173.6 43.02,174.09 43.26,174.32 82.23,174.32 88.6,180.7 148.8,180.7 160.42,192.32 224.29,192.32 226.05,194.08 227.84,194.08 229.18,192.74 241.58,192.74 250.46,201.62 250.46,210.4 v1(250.93,210.87)
D11907: length 833.7
  TOP w0.086: v1(245.93,210.87) 246.38,210.42 246.38,202.52 246.71,202.19 246.71,197.86 246.63,197.78 SITE3.121
  L07_SIGNAL w0.071: v1(164.91,202.42) 165.38,202.89 165.99,202.89 166.19,202.69 166.19,198.69 141.23,173.73 141.23,53.62 151,43.84 170.13,43.84 172.82,46.54 172.82,53.44 D119.07
  L30_SIGNAL w0.071: v1(245.93,210.87) 246.4,211.34 246.4,211.86 241.83,216.43 217.71,216.43 211.4,210.12 155.27,210.12 148.61,203.46 24.16,203.46 19.6,198.9 19.6,139.8 20.15,139.25 21.68,139.25 22.18,139.75 22.18,192.21 23.06,193.08 23.94,193.08 24.95,192.08 24.95,147.36 25.27,147.03 26.93,147.03 27.2,147.3 27.2,201.12 28.52,202.44 150.36,202.44 156.76,208.84 168.6,208.84 169.61,207.82 169.61,205.74 166.76,202.89 165.38,202.89 v1(164.91,202.42)
D11908: length 833.7
  TOP w0.086: v1(249.79,210.87) 250.22,210.43 250.22,208.28 249.11,207.16 249.11,197.86 249.03,197.78 SITE3.115
  L07_SIGNAL w0.071: v1(181.67,188.45) 181.2,188.92 180.37,188.92 171.26,179.81 171.26,139.71 158.16,126.61 158.16,108.46 151.98,102.28 151.98,67.34 156.64,62.68 174.5,62.68 175.34,61.84 175.34,60.88 D119.08
  L30_SIGNAL w0.071: v1(181.67,188.45) 181.2,188.93 180.16,188.93 178.86,190.23 175.31,190.23 172.95,187.87 167.42,187.87 165.57,186.02 156.93,186.02 156.44,185.53 156.44,183.95 156.9,183.48 166.31,183.48 167.01,182.79 167.01,180.9 165.98,179.88 131.03,179.88 130.49,179.34 130.49,178.63 131.03,178.09 163.64,178.09 164.42,177.31 164.42,176.49 163.69,175.76 131.23,175.76 130.3,174.83 130.3,173.98 130.94,173.34 164.36,173.34 165.23,174.21 168.55,174.21 168.96,173.8 168.96,172.95 168.37,172.36 166.21,172.36 165.1,171.26 130.56,171.26 129.02,172.8 95.76,172.8 91.9,168.94 43.64,168.94 42.86,169.71 42.86,170.9 43.56,171.59 92.16,171.59 92.75,172.18 92.75,172.85 92.44,173.16 43.19,173.16 42.83,173.52 42.83,174.17 43.17,174.52 82.15,174.52 88.52,180.89 148.71,180.89 160.33,192.51 224.21,192.51 225.97,194.27 227.92,194.27 229.26,192.94 241.5,192.94 250.26,201.7 250.26,210.4 v1(249.79,210.87)
D11909: length 833.7
  TOP w0.086: v1(279.29,192.02) 278.8,192.51 269.46,192.51 267.46,190.51 264.06,190.51 263.98,190.43 SITE3.81
  L07_SIGNAL w0.071: v1(250.81,142.94) 250.33,142.47 250.33,141.84 248.85,140.35 248.85,137.45 208.13,96.73 208.13,53.31 202.8,47.98 184.31,47.98 183.01,49.28 183.01,53.41 181.62,54.8 181.42,54.8 D119.09
  L30_SIGNAL w0.071: v1(279.29,192.02) 279.76,192.49 280.8,192.49 281.3,191.99 281.3,191.03 280.88,190.61 279.47,190.61 277.24,192.84 275.48,192.84 271.91,196.41 251.17,196.41 244.68,189.92 228.39,189.92 226.99,188.52 214.65,188.52 210.71,184.58 181.36,184.58 179.4,182.62 179.4,173.51 176.39,170.49 176.39,166.39 166.54,156.55 97.12,156.55 95.79,155.21 95.79,146.7 96.91,145.58 125.61,145.58 126.52,144.67 139.8,144.67 140.78,145.65 140.78,146.45 139.52,147.71 98.05,147.71 97.67,148.1 97.67,149.34 98.68,150.36 126.59,150.36 127.92,149.03 139.04,149.03 139.97,149.96 139.97,151.88 139.17,152.67 128.63,152.67 127.64,151.69 98.09,151.69 97.58,152.2 97.58,153.36 97.96,153.74 181.01,153.74 186.67,159.4 186.67,169.49 183.8,172.37 183.8,182.25 184.19,182.64 215.57,182.64 216.52,181.69 222.16,181.69 228.94,188.47 241.05,188.47 241.52,188 244.31,188 251.41,195.09 263.9,195.09 264.69,194.3 264.69,192.62 261.97,189.9 261.97,170.48 257.5,166.01 257.5,148.93 255.37,146.79 255.37,143.72 252.76,141.11 250.71,141.11 250.33,141.49 250.33,142.46 v1(250.81,142.94)
D11910: length 833.7
  TOP w0.086: SITE3.87 263.98,192.83 264.06,192.91 264.57,192.91 269.88,198.23 275.83,198.23 v1(276.24,197.81)
  L07_SIGNAL w0.071: D119.10 184.88,60.42 185.04,60.42 185.65,61.03 185.65,61.98 186.35,62.68 201.1,62.68 203.04,64.61 203.04,105.2 191.01,117.23 172.11,117.23 170.32,119.03 170.32,126.5 172.12,128.3 172.12,173.54 175.06,176.49 176.33,176.49 177.16,175.66 178.03,175.66 v1(178.5,176.13)
  L30_SIGNAL w0.071: v1(178.5,176.13) 178.02,175.66 177.57,175.66 177.3,175.39 177.3,173.43 176.16,172.29 175.44,172.29 174.34,171.19 174.34,167.39 164.43,157.49 48.88,157.49 47.54,156.16 47.54,153.31 49.16,151.7 92.72,151.7 93.81,150.61 93.81,148.01 92.6,146.8 48.23,146.8 47.38,145.96 47.38,144.59 48.58,143.39 112,143.39 112.54,142.85 112.54,141.2 112,140.65 45.8,140.65 44.75,141.7 44.75,162.96 45.55,163.75 127.05,163.75 130.4,167.1 167.87,167.1 169.09,168.33 169.09,170.09 176.57,177.57 176.57,182.68 178.97,185.08 210.54,185.08 214.32,188.86 225.81,188.86 227.67,190.71 243.03,190.71 250.6,198.28 275.77,198.28 v1(276.24,197.81)
D11911: length 833.7
  TOP w0.086: v1(279.29,193.16) 278.88,192.75 269.36,192.75 267.37,190.75 264.06,190.75 263.98,190.83 SITE3.82
  L07_SIGNAL w0.071: v1(249.66,142.94) 250.14,142.47 250.14,141.92 248.65,140.44 248.65,137.53 207.93,96.82 207.93,53.4 202.71,48.17 184.39,48.17 183.21,49.36 183.21,53.67 D119.11
  L30_SIGNAL w0.071: v1(249.66,142.94) 250.13,142.47 250.13,141.41 250.63,140.91 252.84,140.91 255.56,143.63 255.56,146.71 257.7,148.85 257.7,165.93 262.17,170.39 262.17,189.82 264.89,192.54 264.89,194.38 263.98,195.29 251.32,195.29 244.23,188.19 241.61,188.19 241.13,188.67 228.86,188.67 222.08,181.89 216.6,181.89 215.66,182.83 184.11,182.83 183.6,182.33 183.6,172.28 186.48,169.41 186.48,159.49 180.93,153.94 97.88,153.94 97.38,153.44 97.38,152.12 98,151.49 127.73,151.49 128.71,152.48 139.09,152.48 139.77,151.8 139.77,150.04 138.95,149.23 128.01,149.23 126.68,150.56 98.6,150.56 97.47,149.43 97.47,148.02 97.97,147.52 139.44,147.52 140.59,146.37 140.59,145.73 139.72,144.86 126.61,144.86 125.69,145.78 96.99,145.78 95.99,146.78 95.99,155.13 97.2,156.35 166.62,156.35 176.59,166.31 176.59,170.41 179.6,173.42 179.6,182.53 181.45,184.38 210.79,184.38 214.74,188.32 227.07,188.32 228.47,189.72 244.76,189.72 251.25,196.21 271.83,196.21 275.4,192.64 277.15,192.64 279.39,190.41 280.96,190.41 281.5,190.95 281.5,192.08 280.89,192.69 279.76,192.69 v1(279.29,193.16)
D11912: length 833.7
  TOP w0.086: SITE3.88 263.98,193.23 264.06,193.15 264.47,193.15 269.78,198.47 275.76,198.47 v1(276.24,198.95)
  L07_SIGNAL w0.071: v1(178.5,174.99) 178.03,175.46 177.08,175.46 176.25,176.29 175.15,176.29 172.31,173.46 172.31,128.22 170.51,126.42 170.51,119.12 172.2,117.43 191.09,117.43 203.24,105.28 203.24,64.53 201.19,62.48 186.43,62.48 185.85,61.9 185.85,60.53 D119.12
  L30_SIGNAL w0.071: v1(178.5,174.99) 178.03,175.46 177.65,175.46 177.5,175.31 177.5,173.35 176.24,172.09 175.52,172.09 174.53,171.1 174.53,167.31 164.52,157.29 48.96,157.29 47.74,156.07 47.74,153.39 49.24,151.89 92.8,151.89 94,150.69 94,147.93 92.68,146.6 48.31,146.6 47.58,145.87 47.58,144.67 48.66,143.59 112.08,143.59 112.74,142.94 112.74,141.11 112.08,140.45 45.72,140.45 44.56,141.62 44.56,163.04 45.47,163.95 126.96,163.95 130.32,167.3 167.78,167.3 168.89,168.41 168.89,170.17 176.37,177.66 176.37,182.76 178.89,185.28 210.46,185.28 214.24,189.06 225.73,189.06 227.59,190.91 242.95,190.91 250.52,198.48 275.77,198.48 v1(276.24,198.95)
D11913: length 833.7
  TOP w0.086: SITE3.122 246.23,197.78 246.15,197.86 246.15,201.71 244.69,203.17 244.69,208.7 v1(245.14,209.15)
  L07_SIGNAL w0.071: D119.13 191.55,54.83 192.32,54.83 193.18,53.96 193.18,50.92 194.2,49.91 202.21,49.91 205.38,53.08 205.38,130.16 194.15,141.4 194.15,200.02 194.76,200.63 195.4,200.63 196.05,199.99 196.05,148.72 197.65,147.12 198.99,147.12 199.57,147.7 199.57,200.45 200.39,201.27 201.42,201.27 202.04,200.65 202.04,139.62 202.49,139.18 203.31,139.18 203.78,139.65 203.78,219.64 204.05,219.91 204.66,219.91 205.1,219.48 205.1,135.56 206.06,134.59 207.41,134.59 208.45,135.63 208.45,219.06 209.05,219.67 213.25,219.67 216.08,222.49 216.08,240.26 217.45,241.63 222.98,241.63 225.63,244.28 231.95,244.28 233.79,246.12 233.79,248.56 239.97,254.74 256.69,254.74 261.92,249.51 261.92,236.78 258.03,232.88 227.45,232.88 219.55,224.99 219.55,216.59 214.13,211.17 214.13,203.78 213.45,203.09 212.5,203.09 v1(212.03,203.56)
  L30_SIGNAL w0.071: v1(245.14,209.15) 244.67,208.68 244.67,202.26 240,197.59 228.42,197.59 221.33,204.68 210.89,204.68 210.24,204.03 210.24,203.55 210.7,203.09 211.55,203.09 v1(212.03,203.56)
D11914: length 833.7
  TOP w0.086: v1(242.02,210.88) 242.49,210.41 242.49,203.28 245.11,200.65 245.11,197.86 245.03,197.78 SITE3.125
  L07_SIGNAL w0.071: v1(198.44,202.42) 198.91,202.89 199.6,202.89 200.29,203.58 200.29,205.5 198.95,206.83 192.42,206.83 183.43,197.84 183.43,134.39 182.77,133.73 182.77,125.09 185.68,122.17 189.09,122.17 204.15,107.11 204.15,64.73 201.58,62.16 196.11,62.16 194.96,61.01 194.96,60.34 D119.14
  L30_SIGNAL w0.071: v1(242.02,210.88) 242.49,210.41 242.49,204.65 237.33,199.48 229.1,199.48 222.43,206.15 181.38,206.15 179.11,203.88 179.11,202.07 178.32,201.29 170.42,201.29 168.13,198.99 101.23,198.99 100.41,198.17 47.05,198.17 46.07,197.19 46.07,188.87 47.54,187.4 83.97,187.4 88.67,182.7 95.27,182.7 96.86,184.29 105.62,184.29 107.24,182.68 147.34,182.68 148.68,184.01 148.68,185.55 148.09,186.14 87.15,186.14 84.84,188.46 48.72,188.46 47.28,189.9 47.28,191 48.38,192.11 68.9,192.11 69.36,192.57 69.36,193.31 68.84,193.83 49.08,193.83 48.08,194.83 48.08,196.34 48.67,196.94 164.48,196.94 165.68,198.14 176.81,198.14 180.12,201.46 195.78,201.46 197.21,202.89 197.97,202.89 v1(198.44,202.42)
D11915: length 833.7
  TOP w0.086: v1(244,209.15) 244.46,208.69 244.46,203.07 245.91,201.61 245.91,197.86 245.83,197.78 SITE3.123
  L07_SIGNAL w0.071: D119.15 193.38,53.68 193.38,53.56 193.38,51 194.28,50.11 202.13,50.11 205.18,53.16 205.18,130.08 193.95,141.32 193.95,200.1 194.68,200.83 195.48,200.83 196.24,200.07 196.24,148.81 197.73,147.32 198.9,147.32 199.37,147.78 199.37,200.54 200.31,201.47 201.5,201.47 202.24,200.73 202.24,139.71 202.57,139.38 203.23,139.38 203.59,139.74 203.59,219.73 203.97,220.11 204.74,220.11 205.29,219.56 205.29,135.64 206.14,134.79 207.32,134.79 208.25,135.72 208.25,219.15 208.97,219.86 213.17,219.86 215.88,222.58 215.88,240.34 217.37,241.83 222.9,241.83 225.55,244.48 231.87,244.48 233.59,246.2 233.59,248.64 239.89,254.93 256.77,254.93 262.12,249.59 262.12,236.7 258.11,232.69 227.53,232.69 219.74,224.9 219.74,216.5 214.33,211.09 214.33,203.7 213.53,202.89 212.5,202.89 v1(212.03,202.42)
  L30_SIGNAL w0.071: v1(212.03,202.42) 211.55,202.89 210.62,202.89 210.04,203.47 210.04,204.11 210.81,204.87 221.42,204.87 228.5,197.79 239.92,197.79 244.47,202.34 244.47,208.68 v1(244,209.15)
D11916: length 833.7
  TOP w0.086: v1(243.16,210.88) 242.73,210.45 242.73,203.37 245.35,200.75 245.35,197.86 245.43,197.78 SITE3.124
  L07_SIGNAL w0.071: v1(198.44,203.56) 198.91,203.09 199.51,203.09 200.09,203.66 200.09,205.41 198.87,206.63 192.5,206.63 183.63,197.76 183.63,134.31 182.96,133.64 182.96,125.17 185.76,122.37 189.17,122.37 204.35,107.19 204.35,64.65 201.66,61.96 196.19,61.96 195.16,60.93 195.16,59.88 195.42,59.62 196.92,59.62 D119.16
  L30_SIGNAL w0.071: v1(198.44,203.56) 197.96,203.08 197.13,203.08 195.7,201.66 180.04,201.66 176.72,198.34 165.6,198.34 164.4,197.13 48.59,197.13 47.88,196.43 47.88,194.75 48.99,193.63 68.76,193.63 69.16,193.22 69.16,192.65 68.82,192.3 48.3,192.3 47.08,191.08 47.08,189.81 48.63,188.26 84.76,188.26 87.07,185.95 148,185.95 148.48,185.47 148.48,184.1 147.26,182.87 107.32,182.87 105.7,184.49 96.78,184.49 95.19,182.9 88.75,182.9 84.05,187.6 47.62,187.6 46.27,188.95 46.27,197.11 47.13,197.97 100.49,197.97 101.31,198.79 168.21,198.79 170.51,201.09 178.41,201.09 179.31,201.99 179.31,203.8 181.46,205.96 222.35,205.96 229.02,199.29 237.41,199.29 242.69,204.57 242.69,210.41 v1(243.16,210.88)
D12001: length 833.7
  TOP w0.086: v1(267.64,208.93) 267.21,208.5 267.21,207.41 265.32,205.52 265.32,204.13 259.35,198.16 259.35,197.86 259.43,197.78 SITE3.89
  L05_SIGNAL w0.071: D120.01 162.12,33.46 162.12,24.81 159.24,21.94 83.54,21.94 76.26,29.23 76.26,113.24 57.44,132.05 57.44,231.12 89.35,263.03 170.41,263.03 172.16,261.28 172.16,254.82 170.65,253.31 164.15,253.31 161.67,250.83 161.67,212.52 153.24,204.08 153.24,180.78 161.09,172.93 165.47,172.93 166.45,173.91 166.45,175.35 166.14,175.66 165.38,175.66 v1(164.91,176.13)
  L32_SIGNAL w0.071: v1(164.91,176.13) 164.91,175.73 164.84,175.66 158.34,175.66 153.4,170.72 153.4,146.33 159.38,140.35 176.55,140.35 177.78,139.12 204.93,139.12 209.84,134.2 228.76,134.2 230.59,136.03 272.08,136.03 281.97,145.92 281.97,198.37 279.78,200.56 274.59,200.56 271.41,197.39 263.24,197.39 261.46,199.16 261.46,201.88 267.17,207.59 267.17,208.46 v1(267.64,208.93)
